# Allegro board 6089-103-RevB_76.brd (continued)
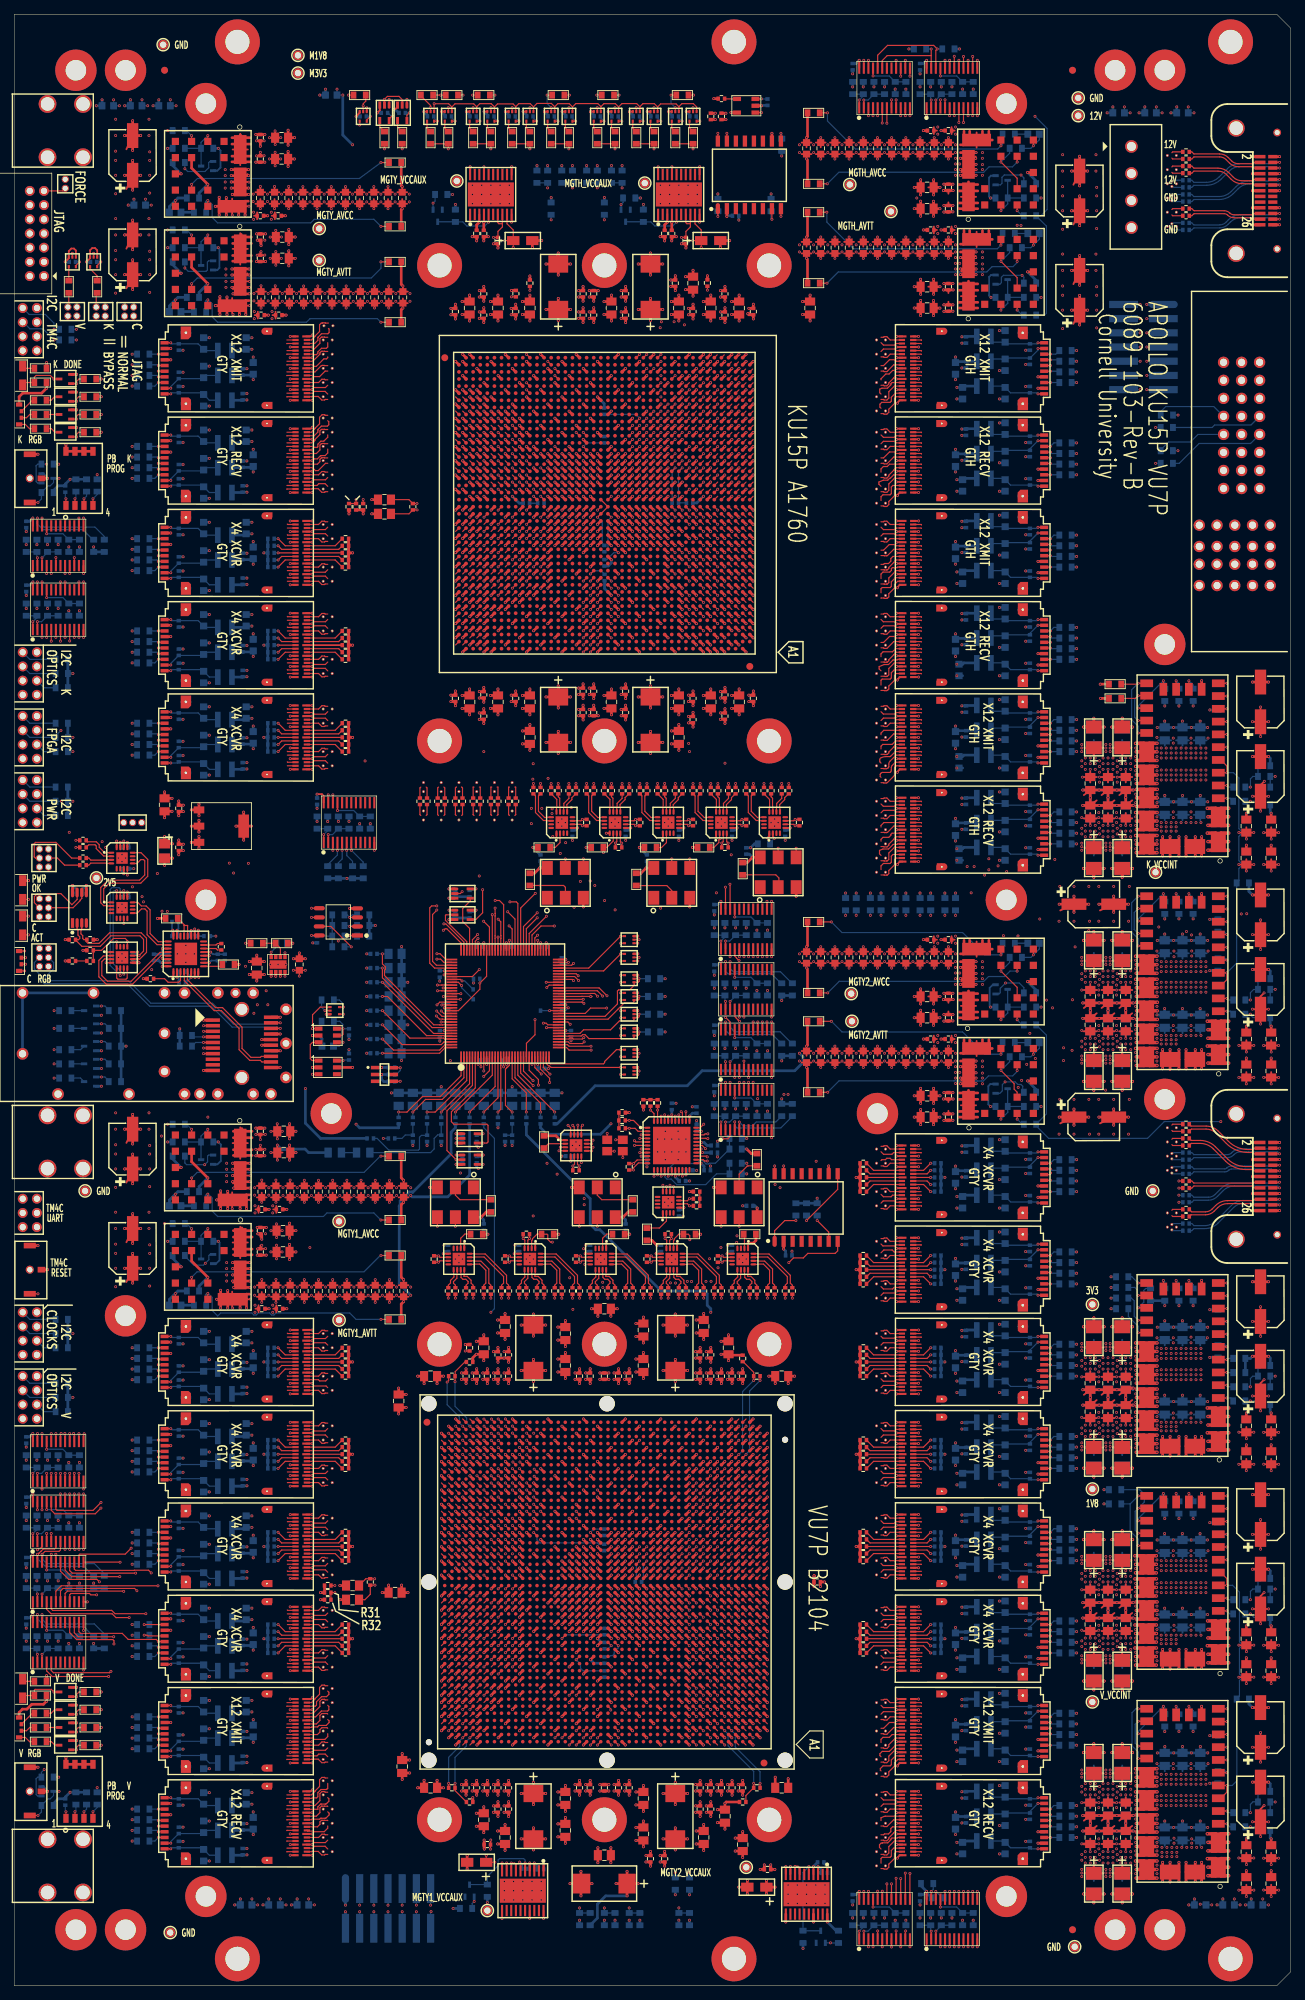
[diagram p0: board, top side]
## Placement (name value [footprint] x y rotation side) (continued)
R538  10K  [RESC_EIA0603]  44.2 135.9 0 bottom
R539  10K  [RESC_EIA0603]  42.7 163.9 90 bottom
R540  49p9  [RESC_EIA0402]  36.2 203.9 0 bottom
R541  49p9  [RESC_EIA0402]  36.2 202.9 0 bottom
R542  49p9  [RESC_EIA0402]  36.2 201.9 0 bottom
R543  49p9  [RESC_EIA0402]  36.2 200.9 0 bottom
R544  49p9  [RESC_EIA0402]  36.2 199.9 0 bottom
R545  49p9  [RESC_EIA0402]  36.2 190.9 0 bottom
R546  49p9  [RESC_EIA0402]  36.2 189.9 0 bottom
R547  49p9  [RESC_EIA0402]  36.2 188.9 0 bottom
R548  49p9  [RESC_EIA0402]  36.2 187.9 0 bottom
R549  49p9  [RESC_EIA0402]  36.2 186.9 0 bottom
R550  49p9  [RESC_EIA0402]  36.2 177.9 0 bottom
R551  49p9  [RESC_EIA0402]  36.2 176.9 0 bottom
R552  49p9  [RESC_EIA0402]  36.2 175.9 0 bottom
R553  49p9  [RESC_EIA0402]  36.2 174.9 0 bottom
R554  49p9  [RESC_EIA0402]  36.2 173.9 0 bottom
R555  49p9  [RESC_EIA0402]  36.2 89.9 0 bottom
R556  49p9  [RESC_EIA0402]  36.2 88.9 0 bottom
R557  49p9  [RESC_EIA0402]  36.2 87.9 0 bottom
R558  49p9  [RESC_EIA0402]  36.2 86.9 0 bottom
R559  49p9  [RESC_EIA0402]  36.2 85.9 0 bottom
R560  49p9  [RESC_EIA0402]  36.2 76.9 0 bottom
R561  49p9  [RESC_EIA0402]  36.2 75.9 0 bottom
R562  49p9  [RESC_EIA0402]  36.2 74.9 0 bottom
R563  49p9  [RESC_EIA0402]  36.2 73.9 0 bottom
R564  49p9  [RESC_EIA0402]  36.2 72.9 0 bottom
R565  49p9  [RESC_EIA0402]  36.2 63.9 0 bottom
R566  49p9  [RESC_EIA0402]  36.2 62.9 0 bottom
R567  49p9  [RESC_EIA0402]  36.2 61.9 0 bottom
R568  49p9  [RESC_EIA0402]  36.2 60.9 0 bottom
R569  49p9  [RESC_EIA0402]  36.2 59.9 0 bottom
R570  49p9  [RESC_EIA0402]  36.2 50.9 0 bottom
R571  49p9  [RESC_EIA0402]  36.2 49.9 0 bottom
R572  49p9  [RESC_EIA0402]  36.2 48.9 0 bottom
R573  49p9  [RESC_EIA0402]  36.2 47.9 0 bottom
R574  49p9  [RESC_EIA0402]  36.2 46.9 0 bottom
R575  3.74K  [RESC_EIA0603]  27.2 258.9 0 bottom
R576  3.74K  [RESC_EIA0603]  27.2 244.9 0 bottom
R577  3.74K  [RESC_EIA0603]  27.2 118.9 0 bottom
R578  3.74K  [RESC_EIA0603]  27.2 104.9 0 bottom
R579  300  [RESC_EIA0603]  26.2 249.9 180 bottom
R580  300  [RESC_EIA0603]  26.2 235.9 180 bottom
R581  300  [RESC_EIA0603]  26.2 109.9 180 bottom
R582  300  [RESC_EIA0603]  26.2 95.9 180 bottom
R583  40K  [RESC_EIA0603]  25.2 251.9 0 bottom
R584  20K  [RESC_EIA0603]  25.2 237.9 0 bottom
R585  40K  [RESC_EIA0603]  25.2 111.9 0 bottom
R586  20K  [RESC_EIA0603]  25.2 97.9 0 bottom
R587  2.2K  [RESC_EIA0603]  24.2 133.9 180 bottom
R588  2.2K  [RESC_EIA0603]  24.2 132.4 180 bottom
R589  10K  [RESC_EIA0603]  23.2 261.4 0 bottom
R590  10K  [RESC_EIA0603]  23.2 258.9 0 bottom
R591  4.7K  [RESC_EIA0603]  23.2 256.9 0 bottom
R592  10K  [RESC_EIA0603]  23.2 247.4 0 bottom
R593  10K  [RESC_EIA0603]  23.2 244.9 0 bottom
R594  4.7K  [RESC_EIA0603]  23.2 242.9 0 bottom
R595  10K  [RESC_EIA0603]  23.2 121.4 0 bottom
R596  10K  [RESC_EIA0603]  23.2 118.9 0 bottom
R597  4.7K  [RESC_EIA0603]  23.2 116.9 0 bottom
R598  10K  [RESC_EIA0603]  23.2 107.4 0 bottom
R599  10K  [RESC_EIA0603]  23.2 104.9 0 bottom
R600  4.7K  [RESC_EIA0603]  23.2 102.9 0 bottom
R601  3.3K  [RESC_EIA0603]  18.2 229.9 180 bottom
R602  3.3K  [RESC_EIA0603]  18.2 228.4 180 bottom
R603  2.2K  [RESC_EIA0603]  18.2 226.9 180 bottom
R604  2.2K  [RESC_EIA0603]  18.2 225.4 180 bottom
R605  3.3K  [RESC_EIA0603]  18.2 216.9 180 bottom
R606  3.3K  [RESC_EIA0603]  18.2 215.4 180 bottom
R607  2.2K  [RESC_EIA0603]  18.2 213.9 180 bottom
R608  2.2K  [RESC_EIA0603]  18.2 212.4 180 bottom
R609  3.3K  [RESC_EIA0603]  18.2 203.9 180 bottom
R610  3.3K  [RESC_EIA0603]  18.2 202.4 180 bottom
R611  2.2K  [RESC_EIA0603]  18.2 200.9 180 bottom
R612  2.2K  [RESC_EIA0603]  18.2 199.4 180 bottom
R613  3.3K  [RESC_EIA0603]  18.2 190.9 180 bottom
R614  3.3K  [RESC_EIA0603]  18.2 189.4 180 bottom
R615  2.2K  [RESC_EIA0603]  18.2 187.9 180 bottom
R616  2.2K  [RESC_EIA0603]  18.2 186.4 180 bottom
R617  3.3K  [RESC_EIA0603]  18.2 177.9 180 bottom
R618  3.3K  [RESC_EIA0603]  18.2 176.4 180 bottom
R619  2.2K  [RESC_EIA0603]  18.2 174.9 180 bottom
R620  2.2K  [RESC_EIA0603]  18.2 173.4 180 bottom
R621  3.3K  [RESC_EIA0603]  18.2 89.9 180 bottom
R622  3.3K  [RESC_EIA0603]  18.2 88.4 180 bottom
R623  2.2K  [RESC_EIA0603]  18.2 86.9 180 bottom
R624  2.2K  [RESC_EIA0603]  18.2 85.4 180 bottom
R625  3.3K  [RESC_EIA0603]  18.2 76.9 180 bottom
R626  3.3K  [RESC_EIA0603]  18.2 75.4 180 bottom
R627  2.2K  [RESC_EIA0603]  18.2 73.9 180 bottom
R628  2.2K  [RESC_EIA0603]  18.2 72.4 180 bottom
R629  3.3K  [RESC_EIA0603]  18.2 63.9 180 bottom
R630  3.3K  [RESC_EIA0603]  18.2 62.4 180 bottom
R631  2.2K  [RESC_EIA0603]  18.2 60.9 180 bottom
R632  2.2K  [RESC_EIA0603]  18.2 59.4 180 bottom
R633  3.3K  [RESC_EIA0603]  18.2 50.9 180 bottom
R634  3.3K  [RESC_EIA0603]  18.2 49.4 180 bottom
R635  2.2K  [RESC_EIA0603]  18.2 47.9 180 bottom
R636  2.2K  [RESC_EIA0603]  18.2 46.4 180 bottom
R637  3.3K  [RESC_EIA0603]  18.2 37.9 180 bottom
R638  3.3K  [RESC_EIA0603]  18.2 36.4 180 bottom
R639  2.2K  [RESC_EIA0603]  18.2 34.9 180 bottom
R640  2.2K  [RESC_EIA0603]  18.2 33.4 180 bottom
R641  3.3K  [RESC_EIA0603]  18.2 24.9 180 bottom
R642  3.3K  [RESC_EIA0603]  18.2 23.4 180 bottom
R643  2.2K  [RESC_EIA0603]  18.2 21.9 180 bottom
R644  2.2K  [RESC_EIA0603]  18.2 20.4 180 bottom
R645  47K  [RESC_EIA0603]  14.2 137.4 0 bottom
R646  47K  [RESC_EIA0603]  14.2 134.9 0 bottom
R647  4.7K  [RESC_EIA0603]  14.2 132.4 180 bottom
R648  4.7K  [RESC_EIA0603]  14.2 129.9 180 bottom
R649  4.7K  [RESC_EIA0603]  14.2 127.4 180 bottom
R650  2.2K  [RESC_EIA0603]  12.7 202.9 270 bottom
R651  2.2K  [RESC_EIA0603]  12.7 56.9 270 bottom
R652  2.2K  [RESC_EIA0603]  12.7 48.4 270 bottom
R653  4.7K  [RESC_EIA0603]  11.7 211.4 270 bottom
R654  4.7K  [RESC_EIA0603]  11.7 26.4 270 bottom
R655  2.2K  [RESC_EIA0603]  11.2 202.9 270 bottom
R656  2.2K  [RESC_EIA0603]  11.2 56.9 270 bottom
R657  2.2K  [RESC_EIA0603]  11.2 48.4 270 bottom
R658  4.7K  [RESC_EIA0603]  10.2 211.4 270 bottom
R659  4.7K  [RESC_EIA0603]  10.2 26.4 270 bottom
R660  DNP  [RESC_EIA0603]  9.2 202.9 90 bottom
R661  DNP  [RESC_EIA0603]  9.2 193.9 90 bottom
R662  DNP  [RESC_EIA0603]  9.2 73.9 90 bottom
R663  DNP  [RESC_EIA0603]  9.2 65.4 90 bottom
R664  DNP  [RESC_EIA0603]  9.2 56.9 90 bottom
R665  DNP  [RESC_EIA0603]  9.2 48.4 90 bottom
R666  4.7K  [RESC_EIA0603]  8.7 211.4 270 bottom
R667  4.7K  [RESC_EIA0603]  8.7 26.4 270 bottom
R668  10K  [RESC_EIA0603]  7.7 202.9 270 bottom
R669  10K  [RESC_EIA0603]  7.7 193.9 270 bottom
R670  10K  [RESC_EIA0603]  7.7 73.9 270 bottom
R671  10K  [RESC_EIA0603]  7.7 65.4 270 bottom
R672  10K  [RESC_EIA0603]  7.7 56.9 270 bottom
R673  10K  [RESC_EIA0603]  7.7 48.4 270 bottom
R674  2.2K  [RESC_EIA0603]  7.2 233.4 0 bottom
R675  2.2K  [RESC_EIA0603]  7.2 231.9 0 bottom
R676  1K  [RESC_EIA0402]  7.2 210.9 90 bottom
R677  150  [RESC_EIA0603]  7.2 137.4 180 bottom
R678  150  [RESC_EIA0603]  7.2 134.9 180 bottom
R679  TBD  [RESC_EIA0603]  7.2 131.9 180 bottom
R680  TBD  [RESC_EIA0603]  7.2 129.9 180 bottom
R681  TBD  [RESC_EIA0603]  7.2 127.9 180 bottom
R682  1K  [RESC_EIA0402]  7.2 25.9 90 bottom
R683  2.2K  [RESC_EIA0603]  6.7 186.9 0 bottom
R684  2.2K  [RESC_EIA0603]  6.7 184.9 0 bottom
R685  10K  [RESC_EIA0603]  6.7 182.9 0 bottom
R686  2.2K  [RESC_EIA0603]  6.7 177.9 0 bottom
R687  2.2K  [RESC_EIA0603]  6.7 175.9 0 bottom
R688  10K  [RESC_EIA0603]  6.7 173.9 0 bottom
R689  2.2K  [RESC_EIA0603]  6.7 168.9 0 bottom
R690  2.2K  [RESC_EIA0603]  6.7 166.9 0 bottom
R691  10K  [RESC_EIA0603]  6.7 164.9 0 bottom
R692  2.2K  [RESC_EIA0603]  6.7 93.9 0 bottom
R693  2.2K  [RESC_EIA0603]  6.7 91.9 0 bottom
R694  10K  [RESC_EIA0603]  6.7 89.9 0 bottom
R695  2.2K  [RESC_EIA0603]  6.7 84.9 0 bottom
R696  2.2K  [RESC_EIA0603]  6.7 82.9 0 bottom
R697  10K  [RESC_EIA0603]  6.7 80.9 0 bottom
R698  DNP  [RESC_EIA0603]  6.2 202.9 270 bottom
R699  DNP  [RESC_EIA0603]  6.2 193.9 270 bottom
R700  DNP  [RESC_EIA0603]  6.2 73.9 270 bottom
R701  DNP  [RESC_EIA0603]  6.2 65.4 270 bottom
R702  DNP  [RESC_EIA0603]  6.2 56.9 270 bottom
R703  DNP  [RESC_EIA0603]  6.2 48.4 270 bottom
R704  4.7K  [RESC_EIA0603]  4.7 214.4 180 bottom
R705  4.7K  [RESC_EIA0603]  4.7 210.4 180 bottom
R706  10K  [RESC_EIA0603]  4.7 202.9 90 bottom
R707  10K  [RESC_EIA0603]  4.7 193.9 90 bottom
R708  10K  [RESC_EIA0603]  4.7 73.9 90 bottom
R709  10K  [RESC_EIA0603]  4.7 65.4 90 bottom
R710  10K  [RESC_EIA0603]  4.7 56.9 90 bottom
R711  10K  [RESC_EIA0603]  4.7 48.4 90 bottom
R712  4.7K  [RESC_EIA0603]  4.7 29.4 180 bottom
R713  4.7K  [RESC_EIA0603]  4.7 25.4 180 bottom
R714  DNP  [RESC_EIA0603]  3.2 202.9 270 bottom
R715  DNP  [RESC_EIA0603]  3.2 193.9 270 bottom
R716  DNP  [RESC_EIA0603]  3.2 73.9 270 bottom
R717  DNP  [RESC_EIA0603]  3.2 65.4 270 bottom
R718  DNP  [RESC_EIA0603]  3.2 56.9 270 bottom
R719  DNP  [RESC_EIA0603]  3.2 48.4 270 bottom
R720  10K  [RESC_EIA0603]  1.7 202.9 90 bottom
R721  10K  [RESC_EIA0603]  1.7 193.9 90 bottom
R722  10K  [RESC_EIA0603]  1.7 73.9 90 bottom
R723  10K  [RESC_EIA0603]  1.7 65.4 90 bottom
R724  10K  [RESC_EIA0603]  1.7 56.9 90 bottom
R725  10K  [RESC_EIA0603]  1.7 48.4 90 bottom
R726  0  [RESC_EIA0603]  162.49 214.51 180 bottom
R727  0  [RESC_EIA0603]  162.49 216.29 0 bottom
R728  0  [RESC_EIA0603]  162.49 219.57 180 bottom
R729  0  [RESC_EIA0603]  162.5 221.32 0 bottom
SP1  DNI  [SPLICE_PLATE_APOLLO]  31.47 273.9 90 top
SP2  DNI  [SPLICE_PLATE_APOLLO]  171.47 3.8 270 top
SW1  SW PUSHBUTTON  [SWITCH_B3U_3100P_B]  2.2 212.4 90 top
SW2  SW PUSHBUTTON  [SWITCH_B3U_3100P_B]  2.2 100.9 90 top
SW3  SW PUSHBUTTON  [SWITCH_B3U_3100P_B]  2.2 27.4 90 top
SW4  SW DIP-4  [SW_DIP_4POS_50MIL]  9.2 212.4 90 top
SW5  SW DIP-4  [SW_DIP_4POS_50MIL]  9.2 27.4 90 top
TP1  T POINT F  [TESTPT_SMPAD]  74.2 137.4 180 bottom
TP2  T POINT F  [TESTPT_SMPAD]  64.7 140.4 180 bottom
TP3  T POINT F  [TESTPT_SMPAD]  64.72 139 180 bottom
U1  TCA9555  [TSSOP-24]  6.2 202.9 90 top
U2  TCA9548A  [TSSOP-24]  6.2 193.9 90 top
U3  TCA9548A  [TSSOP-24]  6.2 73.9 90 top
U4  TCA9548A  [TSSOP-24]  6.2 65.4 90 top
U5  TCA9555  [TSSOP-24]  6.2 56.9 90 top
U6  TCA9555  [TSSOP-24]  6.2 48.4 90 top
U7  74LVC1G125  [SOT5_DRL]  8.2 242.9 270 top
U8  65LVDS100  [TSSOP-8]  9.2 151.9 90 top
U9  74LVC1G125  [SOT5_DRL]  11.2 242.9 270 top
U10  SY89872  [QFN-16_1P55PAD]  15.2 158.9 0 top
U11  SY89832U  [QFN-16_1P55PAD]  15.2 151.9 0 top
U12  NB7V52M  [QFN-16_1P75PAD]  15.2 144.9 0 top
U13  SFP_CONN_WITH_CAGE  [SFP_CONN_NATE]  31.2 139.9 0 top
U14  ADN2814  [LFCSP_5MM_32]  24.2 145.4 90 top
U15  IND072_DC-DC  [IND072]  21.2 261.4 270 top
U16  IND072_DC-DC  [IND072]  21.2 247.4 270 top
U17  IND072_DC-DC  [IND072]  21.2 121.4 270 top
U18  IND072_DC-DC  [IND072]  21.2 107.4 270 top
U19  LT1963A  [LT1963A_SOT-223]  29.2 163.4 0 top
U20  FIREFLY_XMIT_X12  [CONN_SAMTEC_UEC5_UCC8]  21.2 227.9 270 top
U21  FIREFLY_RECV_X12  [CONN_SAMTEC_UEC5_UCC8]  21.2 214.9 270 top
U22  FIREFLY_XCVR_X4  [CONN_SAMTEC_UEC5_UCC8]  21.2 201.9 270 top
U23  FIREFLY_XCVR_X4  [CONN_SAMTEC_UEC5_UCC8]  21.2 188.9 270 top
U24  FIREFLY_XCVR_X4  [CONN_SAMTEC_UEC5_UCC8]  21.2 175.9 270 top
U25  FIREFLY_XCVR_X4  [CONN_SAMTEC_UEC5_UCC8]  21.2 87.9 270 top
U26  FIREFLY_XCVR_X4  [CONN_SAMTEC_UEC5_UCC8]  21.2 74.9 270 top
U27  FIREFLY_XCVR_X4  [CONN_SAMTEC_UEC5_UCC8]  21.2 61.9 270 top
U28  FIREFLY_XCVR_X4  [CONN_SAMTEC_UEC5_UCC8]  21.2 48.9 270 top
U29  FIREFLY_XMIT_X12  [CONN_SAMTEC_UEC5_UCC8]  21.2 35.9 270 top
U30  FIREFLY_RECV_X12  [CONN_SAMTEC_UEC5_UCC8]  21.2 22.9 270 top
U31  -  [TPS82130]  37.2 143.9 90 top
U32  TPS3808-3.3V  [SOT23-6]  44.2 133.9 0 top
U33  TPS3808-1.8V  [SOT23-6]  44.2 129.4 0 top
U34  74LVC1G08  [SOT5_DRL]  45.2 137.4 0 top
U35  24LCS52  [SOIC050P240-8]  45.7 149.9 180 top
U36  TCA9548A  [TSSOP-24]  47.2 163.9 90 top
U37  74LVC1G125  [SOT5_DRL]  49.2 263.4 270 top
U38  74AUP1T34  [SC-70-5]  52.2 263.9 270 top
U39  LT1790-2.5V  [TSOT23-6]  52.2 128.4 0 top
U40  74AUP1T34  [SC-70-5]  54.7 263.9 270 top
U41  74LVC1G125  [SOT5_DRL]  58.7 263.4 270 top
U42  74LVC1G126  [SOT5_DRL]  61.2 263.4 270 top
U43  OSC_SI530_312.5MHZ  [OSC_SI530]  62.2 110.4 270 top
U44  SI53340  [QFN-16_1P75PAD]  62.7 102.4 270 top
U45  74AUP1T34  [SC-70-5]  63.2 153.9 0 top
U46  74AUP1T34  [SC-70-5]  63.2 150.9 0 top
U47  74AUP1T34  [SC-70-5]  64.2 119.4 0 top
U48  74AUP1T34  [SC-70-5]  64.2 116.4 0 top
U49  74LVC1G126  [SOT5_DRL]  64.7 263.4 270 top
U50  74LVC1G125  [SOT5_DRL]  67.2 263.4 270 top
U51  -  [TPS75218]  67.2 252.4 90 top
U52  TM4C1290NCPDT  [LQFP128]  69.2 138.4 90 top
U53  74LVC1G126  [SOT5_DRL]  70.2 263.4 270 top
U54  -  [TPS75218]  71.7 13.4 270 top
U55  74LVC1G125  [SOT5_DRL]  72.7 263.4 270 top
U56  SI53340  [QFN-16_1P75PAD]  72.7 102.4 270 top
U57  74LVC1G126  [SOT5_DRL]  75.7 263.4 270 top
U58  SI53340  [QFN-16_1P75PAD]  77.2 163.9 90 top
U59  OSC_SI530_312.5MHZ  [OSC_SI530]  77.7 155.4 90 top
U60  74LVC1G125  [SOT5_DRL]  78.2 263.4 270 top
U61  SI53340  [QFN-16_1P75PAD]  79.2 118.4 0 top
U62  74LVC1G126  [SOT5_DRL]  82.2 263.4 270 top
U63  OSC_SI510_200MHZ  [OSC_SI510]  82.2 110.4 270 top
U64  SI53340  [QFN-16_1P75PAD]  82.7 102.4 270 top
U65  FPGA_KU15P_A1760  [FPGA_A1760_IRONWOOD_6082]  83.2 208.9 180 top
U66  FPGA_VU7P_B2104  [FPGA_B2104_IRONWOOD_6444]  83.2 56.9 180 top
U67  74LVC1G125  [SOT5_DRL]  84.7 263.4 270 top
U68  SI53340  [QFN-16_1P75PAD]  84.7 163.9 90 top
U69  74LVC1G08  [SOT5_DRL]  86.7 147.4 180 top
U70  74LVC1G08  [SOT5_DRL]  86.7 144.9 180 top
U71  74LVC1G08  [SOT5_DRL]  86.7 141.9 180 top
U72  74LVC1G08  [SOT5_DRL]  86.7 139.4 180 top
U73  74LVC1G08  [SOT5_DRL]  86.7 136.9 180 top
U74  74LVC1G08  [SOT5_DRL]  86.7 134.4 180 top
U75  74LVC1G08  [SOT5_DRL]  86.7 131.4 180 top
U76  74LVC1G08  [SOT5_DRL]  86.7 128.9 180 top
U77  74LVC1G126  [SOT5_DRL]  87.7 263.4 270 top
U78  74LVC1G125  [SOT5_DRL]  90.2 263.4 270 top
U79  SI53340  [QFN-16_1P75PAD]  92.2 163.9 90 top
U80  SI53340  [QFN-16_1P75PAD]  92.2 110.4 90 top
U81  SI5340  [QFN44]  92.7 118.4 0 top
U82  OSC_SI510_200MHZ  [OSC_SI510]  92.7 155.4 90 top
U83  SI53340  [QFN-16_1P75PAD]  92.7 102.4 270 top
U84  74LVC1G126  [SOT5_DRL]  93.2 263.4 270 top
U85  -  [TPS75218]  93.7 252.4 90 top
U86  74LVC1G125  [SOT5_DRL]  95.7 263.4 270 top
U87  SI53340  [QFN-16_1P75PAD]  99.7 163.9 90 top
U88  OSC_SI530_312.5MHZ  [OSC_SI530]  102.2 110.4 270 top
U89  SI53340  [QFN-16_1P75PAD]  102.7 102.4 270 top
U90  ADP1713_1V8  [SOT23-5]  103.2 264.9 180 top
U91  TCA9548A  [TSSOP-24]  103.2 148.9 90 top
U92  TCA9555  [TSSOP-24]  103.2 140.4 90 top
U93  TCA9555  [TSSOP-24]  103.2 131.9 90 top
U94  TCA9548A  [TSSOP-24]  103.2 123.4 90 top
U95  MT25QU01  [MT25QU01_SO16]  99.2 250.4 90 top
U96  SI53340  [QFN-16_1P75PAD]  107.2 163.9 90 top
U97  OSC_SI530_312.5MHZ  [OSC_SI530]  107.7 156.9 90 top
U98  MT25QU01  [MT25QU01_SO16]  107.2 104.9 90 top
U99  -  [TPS75218]  111.7 12.9 270 top
U100  TCA9548A  [TSSOP-24]  122.7 267.4 90 top
U101  TCA9548A  [TSSOP-24]  122.7 9.4 90 top
U102  TCA9555  [TSSOP-24]  132.2 267.4 90 top
U103  TCA9555  [TSSOP-24]  132.2 9.4 90 top
U104  FIREFLY_XMIT_X12  [CONN_SAMTEC_UEC5_UCC8]  145.2 227.9 90 top
U105  FIREFLY_RECV_X12  [CONN_SAMTEC_UEC5_UCC8]  145.2 214.9 90 top
U106  FIREFLY_XMIT_X12  [CONN_SAMTEC_UEC5_UCC8]  145.2 201.9 90 top
U107  FIREFLY_RECV_X12  [CONN_SAMTEC_UEC5_UCC8]  145.2 188.9 90 top
U108  FIREFLY_XMIT_X12  [CONN_SAMTEC_UEC5_UCC8]  145.2 175.9 90 top
U109  FIREFLY_RECV_X12  [CONN_SAMTEC_UEC5_UCC8]  145.2 162.9 90 top
U110  FIREFLY_XCVR_X4  [CONN_SAMTEC_UEC5_UCC8]  145.2 113.9 90 top
U111  FIREFLY_XCVR_X4  [CONN_SAMTEC_UEC5_UCC8]  145.2 100.9 90 top
U112  FIREFLY_XCVR_X4  [CONN_SAMTEC_UEC5_UCC8]  145.2 87.9 90 top
U113  FIREFLY_XCVR_X4  [CONN_SAMTEC_UEC5_UCC8]  145.2 74.9 90 top
U114  FIREFLY_XCVR_X4  [CONN_SAMTEC_UEC5_UCC8]  145.2 61.9 90 top
U115  FIREFLY_XCVR_X4  [CONN_SAMTEC_UEC5_UCC8]  145.2 48.9 90 top
U116  FIREFLY_XMIT_X12  [CONN_SAMTEC_UEC5_UCC8]  145.2 35.9 90 top
U117  FIREFLY_RECV_X12  [CONN_SAMTEC_UEC5_UCC8]  145.2 22.9 90 top
U118  IND072_DC-DC  [IND072]  145.2 249.4 90 top
U119  IND072_DC-DC  [IND072]  145.2 235.4 90 top
U120  IND072_DC-DC  [IND072]  145.2 135.4 90 top
U121  IND072_DC-DC  [IND072]  145.2 121.4 90 top
U122  -  [LGA80D]  164.7 171.9 90 top
U123  -  [LGA80D]  164.7 141.9 90 top
U124  -  [LGA80D]  164.7 87.4 90 top
U125  -  [LGA80D]  164.7 57.4 90 top
U126  -  [LGA80D]  164.7 27.4 90 top
VA1  DNI  [VIA_ARRAY_19H10]  44.2 231.9 90 top
VA2  DNI  [VIA_ARRAY_19H10]  44.2 229.9 90 top
VA3  DNI  [VIA_ARRAY_19H10]  44.2 227.9 90 top
VA4  DNI  [VIA_ARRAY_19H10]  44.2 225.9 90 top
VA5  DNI  [VIA_ARRAY_19H10]  44.2 223.9 90 top
VA6  DNI  [VIA_ARRAY_19H10]  44.2 220.9 90 top
VA7  DNI  [VIA_ARRAY_19H10]  44.2 218.9 90 top
VA8  DNI  [VIA_ARRAY_19H10]  44.2 216.9 90 top
VA9  DNI  [VIA_ARRAY_19H10]  44.2 214.9 90 top
VA10  DNI  [VIA_ARRAY_19H10]  44.2 212.9 90 top
VA11  DNI  [VIA_ARRAY_19H10]  44.2 210.9 90 top
VA12  DNI  [VIA_ARRAY_19H10]  44.2 205.9 90 top
VA13  DNI  [VIA_ARRAY_19H10]  44.2 203.9 90 top
VA14  DNI  [VIA_ARRAY_19H10]  44.2 199.9 270 top
VA15  DNI  [VIA_ARRAY_19H10]  44.2 197.9 270 top
VA16  DNI  [VIA_ARRAY_19H10]  44.2 192.9 90 top
VA17  DNI  [VIA_ARRAY_19H10]  44.2 190.9 90 top
VA18  DNI  [VIA_ARRAY_19H10]  44.2 186.9 270 top
VA19  DNI  [VIA_ARRAY_19H10]  44.2 184.9 270 top
VA20  DNI  [VIA_ARRAY_19H10]  44.2 179.9 90 top
VA21  DNI  [VIA_ARRAY_19H10]  44.2 177.9 90 top
VA22  DNI  [VIA_ARRAY_19H10]  44.2 173.9 270 top
VA23  DNI  [VIA_ARRAY_19H10]  44.2 171.9 270 top
VA24  DNI  [VIA_ARRAY_19H10]  44.2 91.9 90 top
VA25  DNI  [VIA_ARRAY_19H10]  44.2 89.9 90 top
VA26  DNI  [VIA_ARRAY_19H10]  44.2 85.9 270 top
VA27  DNI  [VIA_ARRAY_19H10]  44.2 83.9 270 top
VA28  DNI  [VIA_ARRAY_19H10]  44.2 78.9 90 top
VA29  DNI  [VIA_ARRAY_19H10]  44.2 76.9 90 top
VA30  DNI  [VIA_ARRAY_19H10]  44.2 72.9 270 top
VA31  DNI  [VIA_ARRAY_19H10]  44.2 70.9 270 top
VA32  DNI  [VIA_ARRAY_19H10]  44.2 65.9 90 top
VA33  DNI  [VIA_ARRAY_19H10]  44.2 63.9 90 top
VA34  DNI  [VIA_ARRAY_19H10]  44.2 59.9 270 top
VA35  DNI  [VIA_ARRAY_19H10]  44.2 57.9 270 top
VA36  DNI  [VIA_ARRAY_19H10]  44.2 52.9 90 top
VA37  DNI  [VIA_ARRAY_19H10]  44.2 50.9 90 top
VA38  DNI  [VIA_ARRAY_19H10]  44.2 46.9 270 top
VA39  DNI  [VIA_ARRAY_19H10]  44.2 44.9 270 top
VA40  DNI  [VIA_ARRAY_19H10]  44.2 41.9 90 top
VA41  DNI  [VIA_ARRAY_19H10]  44.2 39.9 90 top
VA42  DNI  [VIA_ARRAY_19H10]  44.2 37.9 90 top
VA43  DNI  [VIA_ARRAY_19H10]  44.2 35.9 90 top
VA44  DNI  [VIA_ARRAY_19H10]  44.2 33.9 90 top
VA45  DNI  [VIA_ARRAY_19H10]  44.2 31.9 90 top
VA46  DNI  [VIA_ARRAY_19H10]  44.2 28.9 90 top
VA47  DNI  [VIA_ARRAY_19H10]  44.2 26.9 90 top
VA48  DNI  [VIA_ARRAY_19H10]  44.2 24.9 90 top
VA49  DNI  [VIA_ARRAY_19H10]  44.2 22.9 90 top
VA50  DNI  [VIA_ARRAY_19H10]  44.2 20.9 90 top
VA51  DNI  [VIA_ARRAY_19H10]  44.2 18.9 90 top
VA52  DNI  [VIA_ARRAY_19H10]  44.3 233.9 90 top
VA53  DNI  [VIA_ARRAY_19H10]  57.7 168.9 180 top
VA54  DNI  [VIA_ARRAY_19H10]  57.7 164.9 180 top
VA55  DNI  [VIA_ARRAY_19H10]  60.2 168.9 180 top
VA56  DNI  [VIA_ARRAY_19H10]  60.2 164.9 180 top
VA57  DNI  [VIA_ARRAY_19H10]  62.7 168.9 180 top
VA58  DNI  [VIA_ARRAY_19H10]  62.7 164.9 180 top
VA59  DNI  [VIA_ARRAY_19H10]  65.2 168.9 180 top
VA60  DNI  [VIA_ARRAY_19H10]  65.2 164.9 180 top
VA61  DNI  [VIA_ARRAY_19H10]  67.7 168.9 180 top
VA62  DNI  [VIA_ARRAY_19H10]  67.7 164.9 180 top
VA63  DNI  [VIA_ARRAY_19H10]  70.2 168.9 180 top
VA64  DNI  [VIA_ARRAY_19H10]  70.2 164.9 180 top
VA65  DNI  [VIA_ARRAY_19H10]  122.2 231.9 270 top
VA66  DNI  [VIA_ARRAY_19H10]  122.2 229.9 270 top
VA67  DNI  [VIA_ARRAY_19H10]  122.2 227.9 270 top
VA68  DNI  [VIA_ARRAY_19H10]  122.2 225.9 270 top
VA69  DNI  [VIA_ARRAY_19H10]  122.2 223.9 270 top
VA70  DNI  [VIA_ARRAY_19H10]  122.2 221.9 270 top
VA71  DNI  [VIA_ARRAY_19H10]  122.2 218.9 270 top
VA72  DNI  [VIA_ARRAY_19H10]  122.2 216.9 270 top
VA73  DNI  [VIA_ARRAY_19H10]  122.2 214.9 270 top
VA74  DNI  [VIA_ARRAY_19H10]  122.2 212.9 270 top
VA75  DNI  [VIA_ARRAY_19H10]  122.2 210.9 270 top
VA76  DNI  [VIA_ARRAY_19H10]  122.2 208.9 270 top
VA77  DNI  [VIA_ARRAY_19H10]  122.2 205.9 270 top
VA78  DNI  [VIA_ARRAY_19H10]  122.2 203.9 270 top
VA79  DNI  [VIA_ARRAY_19H10]  122.2 201.9 270 top
VA80  DNI  [VIA_ARRAY_19H10]  122.2 199.9 270 top
VA81  DNI  [VIA_ARRAY_19H10]  122.2 197.9 270 top
VA82  DNI  [VIA_ARRAY_19H10]  122.2 195.9 270 top
VA83  DNI  [VIA_ARRAY_19H10]  122.2 192.9 270 top
VA84  DNI  [VIA_ARRAY_19H10]  122.2 190.9 270 top
VA85  DNI  [VIA_ARRAY_19H10]  122.2 188.9 270 top
VA86  DNI  [VIA_ARRAY_19H10]  122.2 186.9 270 top
VA87  DNI  [VIA_ARRAY_19H10]  122.2 184.9 270 top
VA88  DNI  [VIA_ARRAY_19H10]  122.2 182.9 270 top
VA89  DNI  [VIA_ARRAY_19H10]  122.2 179.9 270 top
VA90  DNI  [VIA_ARRAY_19H10]  122.2 177.9 270 top
VA91  DNI  [VIA_ARRAY_19H10]  122.2 175.9 270 top
VA92  DNI  [VIA_ARRAY_19H10]  122.2 173.9 270 top
VA93  DNI  [VIA_ARRAY_19H10]  122.2 171.9 270 top
VA94  DNI  [VIA_ARRAY_19H10]  122.2 169.9 270 top
VA95  DNI  [VIA_ARRAY_19H10]  122.2 166.9 270 top
VA96  DNI  [VIA_ARRAY_19H10]  122.2 164.9 270 top
VA97  DNI  [VIA_ARRAY_19H10]  122.2 162.9 270 top
VA98  DNI  [VIA_ARRAY_19H10]  122.2 160.9 270 top
VA99  DNI  [VIA_ARRAY_19H10]  122.2 158.9 270 top
VA100  DNI  [VIA_ARRAY_19H10]  122.2 156.9 270 top
VA101  DNI  [VIA_ARRAY_19H10]  122.2 117.9 90 top
VA102  DNI  [VIA_ARRAY_19H10]  122.2 115.9 90 top
VA103  DNI  [VIA_ARRAY_19H10]  122.2 111.9 270 top
VA104  DNI  [VIA_ARRAY_19H10]  122.2 109.9 270 top
VA105  DNI  [VIA_ARRAY_19H10]  122.2 104.9 90 top
VA106  DNI  [VIA_ARRAY_19H10]  122.2 102.9 90 top
VA107  DNI  [VIA_ARRAY_19H10]  122.2 98.9 270 top
VA108  DNI  [VIA_ARRAY_19H10]  122.2 96.9 270 top
VA109  DNI  [VIA_ARRAY_19H10]  122.2 91.9 90 top
VA110  DNI  [VIA_ARRAY_19H10]  122.2 89.9 90 top
VA111  DNI  [VIA_ARRAY_19H10]  122.2 85.9 270 top
VA112  DNI  [VIA_ARRAY_19H10]  122.2 83.9 270 top
VA113  DNI  [VIA_ARRAY_19H10]  122.2 78.9 90 top
VA114  DNI  [VIA_ARRAY_19H10]  122.2 76.9 90 top
VA115  DNI  [VIA_ARRAY_19H10]  122.2 72.9 270 top
VA116  DNI  [VIA_ARRAY_19H10]  122.2 70.9 270 top
VA117  DNI  [VIA_ARRAY_19H10]  122.2 65.9 90 top
VA118  DNI  [VIA_ARRAY_19H10]  122.2 63.9 90 top
VA119  DNI  [VIA_ARRAY_19H10]  122.2 59.9 270 top
VA120  DNI  [VIA_ARRAY_19H10]  122.2 57.9 270 top
VA121  DNI  [VIA_ARRAY_19H10]  122.2 52.9 90 top
VA122  DNI  [VIA_ARRAY_19H10]  122.2 50.9 90 top
VA123  DNI  [VIA_ARRAY_19H10]  122.2 46.9 270 top
VA124  DNI  [VIA_ARRAY_19H10]  122.2 44.9 270 top
VA125  DNI  [VIA_ARRAY_19H10]  122.2 39.9 270 top
VA126  DNI  [VIA_ARRAY_19H10]  122.2 37.9 270 top
VA127  DNI  [VIA_ARRAY_19H10]  122.2 35.9 270 top
VA128  DNI  [VIA_ARRAY_19H10]  122.2 33.9 270 top
VA129  DNI  [VIA_ARRAY_19H10]  122.2 31.9 270 top
VA130  DNI  [VIA_ARRAY_19H10]  122.2 29.9 270 top
VA131  DNI  [VIA_ARRAY_19H10]  122.2 26.9 270 top
VA132  DNI  [VIA_ARRAY_19H10]  122.2 24.9 270 top
VA133  DNI  [VIA_ARRAY_19H10]  122.2 22.9 270 top
VA134  DNI  [VIA_ARRAY_19H10]  122.2 20.9 270 top
VA135  DNI  [VIA_ARRAY_19H10]  122.2 18.9 270 top
VA136  DNI  [VIA_ARRAY_19H10]  122.2 16.9 270 top
VA137  DNI  [VIA_ARRAY_19H10]  163.2 257.9 270 top
VA138  DNI  [VIA_ARRAY_19H10]  163.2 255.9 270 top
VA139  DNI  [VIA_ARRAY_19H10#2]  163.2 253.9 270 top
VA140  DNI  [VIA_ARRAY_19H10#2]  163.2 251.9 270 top
VA141  DNI  [VIA_ARRAY_19H10]  163.2 249.9 270 top
VA142  DNI  [VIA_ARRAY_19H10#2]  163.2 247.9 270 top
VA143  DNI  [VIA_ARRAY_19H10]  163.2 120.9 270 top
VA144  DNI  [VIA_ARRAY_19H10]  163.2 118.9 270 top
VA145  DNI  [VIA_ARRAY_19H10#2]  163.2 116.9 270 top
VA146  DNI  [VIA_ARRAY_19H10#2]  163.2 114.9 270 top
VA147  DNI  [VIA_ARRAY_19H10]  163.2 108.9 270 top
VA148  DNI  [VIA_ARRAY_19H10#2]  163.2 106.9 270 top
X1  48 MHz  [CRYSTAL_SMD4]  84.7 118.4 180 top

## Library data of the parts
BR1-BR3 J17 = CON4
C1-C4 C9 C10 C12-C113 C115-C149 C151-C155 C158-C162 C165-C195 C197-C222 C225-C235 C238-C260 C262-C298 C300-C380 C383-C392 C405-C414 C425-C458 C469-C537 C548-C558 C569-C977 = CAP NP
C5-C8 C11 C114 C150 C156 C157 C163 C164 C196 C223 C224 C236 C237 C261 C299 C381 C382 C393-C404 C415-C424 C459-C468 C538-C547 C559-C568 = CAP POL
D1-D3 = LED_RGB_INS126T
D4 D7 = LED_1
D5 D6 = LED_0
H1-H18 = CON1
J1 = CON_2X7_RA_JTAG
J2-J5 J7 J8 = JUMPER_4X2
J6 = CON6
J9-J11 = JUMPER_DIFF
J12 = JUMPER1
J13-J15 = JUMPER_2X2
J16 = JUMPER_3X1
J18 J19 = CON14A
L1-L79 = INDUCTOR
P1 = ET60T-D02-3-08-000
P2 P3 = ERM8-013-RA-2X13
PM1-PM26 = THRU_TestPoint
Q1-Q27 = FET_N_1.8V
R1-R729 = R
SP1 SP2 = SPLICE_PLATE_APOLLO
SW1-SW3 = SW PUSHBUTTON
SW4 SW5 = SW DIP-4
TP1-TP3 = T POINT F
U1 U5 U6 U92 U93 U102 U103 = TCA9555
U2-U4 U36 U91 U94 U100 U101 = TCA9548A
U7 U9 U37 U41 U50 U55 U60 U67 U78 U86 = 74LVC1G125
U8 = 65LVDS100
U10 = SY89872
U11 = SY89832U
U12 = NB7V52M
U13 = SFP_CONN_WITH_CAGE
U14 = ADN2814
U15-U18 U118-U121 = IND072_DC-DC
U19 = LT1963A
U20 U29 U104 U106 U108 U116 = FIREFLY_XMIT_X12
U21 U30 U105 U107 U109 U117 = FIREFLY_RECV_X12
U22-U28 U110-U115 = FIREFLY_XCVR_X4
U31 = TPS82130
U32 U33 = TPS3808
U34 U69-U76 = 74LVC1G08
U35 = 24LCS52
U38 U40 U45-U48 = 74AUP1T34
U39 = LT1790
U42 U49 U53 U57 U62 U77 U84 = 74LVC1G126
U43 U59 U63 U82 U88 U97 = OSC_SI530
U44 U56 U58 U61 U64 U68 U79 U80 U83 U87 U89 U96 = SI53340
U51 U54 U85 U99 = TPS75218
U52 = TM4C1290NCPDT
U65 = FPGA_KU15P_A1760
U66 = FPGA_VU7P_B2104
U81 = SI5340
U90 = ADP1713
U95 U98 = MT25QU01
U122-U126 = LGA80D
VA1-VA148 = VIA_ARRAY_19H10
X1 = CRYSTAL_SMD4

## Footprints (pads in the part's own frame, mm; a bottom-side part is the same pattern mirrored in y, then rotated)
CAP_PANASONIC_C6
  rect 3.505x1.6 smd: 1(-2.8,0) 2(2.8,0)
CAPC_EIA0402
  rect 0.508x0.61 smd: 1(-0.45,0) 2(0.45,0)
CAPC_EIA0603
  rect 0.965x1.016 smd: 1(-0.813,0) 2(0.813,0)
CAPC_EIA0805
  rect 1.143x1.448 smd: 1(-0.914,0) 2(0.914,0)
CAPCP_2012
  rect 1.346x1.549 smd: 1(-1.016,0) 2(1.016,0)
CAPTANT_3216_P1
  rect 1.753x1.27 smd: 1(-1.346,0) 2(1.346,0)
CAPTANT_3528_P1
  rect 1.829x2.235 smd: 1(-1.46,0) 2(1.46,0)
CAPTANT_7343_P1
  rect 2.438x2.794 smd: 1(-3.2,0) 2(3.2,0)
CON_2X7_2MM_RA_XILINX
  round 1.397 hole 0.889: 1(1,-6) 2(-1,-6) 3(1,-4) 4(-1,-4) 5(1,-2) 6(-1,-2) 7(1,0) 8(-1,0) 9(1,2) 10(-1,2) 11(1,4) 12(-1,4) 13(1,6) 14(-1,6)
CONN_2MM_2X7_VERT
  oval 4.064x1.016 smd: 1(-2.8,6)
  rect 4.064x1.016 smd: 2(2.8,6) 3(-2.8,4) 4(2.8,4) 5(-2.8,2) 6(2.8,2) 7(-2.8,0) 8(2.8,0) 9(-2.8,-2) 10(2.8,-2) 11(-2.8,-4) 12(2.8,-4) 13(-2.8,-6) 14(2.8,-6)
CONN_SAMTEC_UEC5_UCC8
  custom 1x1.57 hole 0.762: (-5.225,14.435) (5.225,14.435)
  round 0.001 hole 0.89 unplated: (-4.725,16.11) (-4.725,1.56) (4.725,16.51) (4.725,1.56)
  rect 0.5x1.14 smd: 1(-3.6,0) 2(-2.8,0) 3(-2,0) 4(-1.2,0) 5(-0.4,0) 6(0.4,0) 7(1.2,0) 8(2,0) 9(2.8,0) 10(3.6,0)
  rect 0.305x1.092 smd: A1(-4.5,19.96) A4(-3,19.96) A7(-1.5,19.96) A10(0,19.96) A13(1.5,19.96) A16(3,19.96) A19(4.5,19.96)
  rect 0.305x0.889 smd: A2(-4,20.06) A3(-3.5,20.06) A5(-2.5,20.06) A6(-2,20.06) A8(-1,20.06) A9(-0.5,20.06) A11(0.5,20.06) A12(1,20.06) A14(2,20.06) A15(2.5,20.06) A17(3.5,20.06) A18(4,20.06) B1(-4.5,18.46) B2(-4,18.46) B3(-3.5,18.46) B4(-3,18.46) B5(-2.5,18.46) B6(-2,18.46) B7(-1.5,18.46) B8(-1,18.46) B9(-0.5,18.46) B10(0,18.46) B11(0.5,18.46) B12(1,18.46) B13(1.5,18.46) B14(2,18.46) B15(2.5,18.46) B16(3,18.46) B17(3.5,18.46) B18(4,18.46) B19(4.5,18.46)
  custom 1.82x1.47 hole 1.168: G1(-5,3.01)
  custom 1.81x1.42 hole 1.168: G2(5,3.01)
CRYSTAL_SMD4
  rect 1.397x1.194 smd: 1(-1.1,-0.8) 2(1.1,-0.8) 3(1.1,0.8) 4(-1.1,0.8)
ERM8-013-01-S-D-RA
  round 0 hole 1.45 unplated: (-17.65,4) (0,4)
  rect 0.5x1.3 smd: 1(-13.625,5.16) 3(-12.825,5.16) 5(-12.025,5.16) 7(-11.225,5.16) 9(-10.425,5.16) 11(-9.625,5.16) 13(-8.825,5.16) 15(-8.025,5.16) 17(-7.225,5.16) 19(-6.425,5.16) 21(-5.625,5.16) 23(-4.825,5.16) 25(-4.025,5.16)
  rect 0.5x1.52 smd: 2(-13.625,3.37) 4(-12.825,3.37) 6(-12.025,3.37) 8(-11.225,3.37) 10(-10.425,3.37) 12(-9.625,3.37) 14(-8.825,3.37) 16(-8.025,3.37) 18(-7.225,3.37) 20(-6.425,3.37) 22(-5.625,3.37) 24(-4.825,3.37) 26(-4.025,3.37)
  round 1.1 hole 0.7: G1(-17.025,5.78) G3(-0.625,5.78)
  round 2.41 hole 1.91: G2(-17.65,0) G4(0,0)
ET60T-02-24-00-X-RT1-GP
  round 0 hole 3.2 unplated: (0,0) (42.76,0)
  round 1.6 hole 1.02: 1(19.17,-3.5) 2(21.71,-3.5) 3(24.25,-3.5) 4(26.79,-3.5) 5(29.33,-3.5) 6(31.87,-3.5) 7(34.41,-3.5) 8(36.95,-3.5) 9(19.17,-0.96) 10(21.71,-0.96) 11(24.25,-0.96) 12(26.79,-0.96) 13(29.33,-0.96) 14(31.87,-0.96) 15(34.41,-0.96) 16(36.95,-0.96) 17(19.17,1.58) 18(21.71,1.58) 19(24.25,1.58) 20(26.79,1.58) 21(29.33,1.58) 22(31.87,1.58) 23(34.41,1.58) 24(36.95,1.58) P1-1(5.5,-5) P1-2(8.5,-5) P1-3(5.5,-2.5) P1-4(8.5,-2.5) P1-5(5.5,0) P1-6(8.5,0) P1-7(5.5,2.5) P1-8(8.5,2.5) P1-9(5.5,5) P1-10(8.5,5) P2-1(11,-5) P2-2(14,-5) P2-3(11,-2.5) P2-4(14,-2.5) P2-5(11,0) P2-6(14,0) P2-7(11,2.5) P2-8(14,2.5) P2-9(11,5) P2-10(14,5)